# Altium PCB MCU3.0.PcbDoc (part 2 of 2)
Units mm, origin at the board's own origin, x right, y up, seen from the top; angles counter-clockwise.
Board outline 138.36 x 70.25 mm, 2 copper layers (Top Layer, Bottom Layer); 116 components, 134 nets, 579 pads, 231 vias.
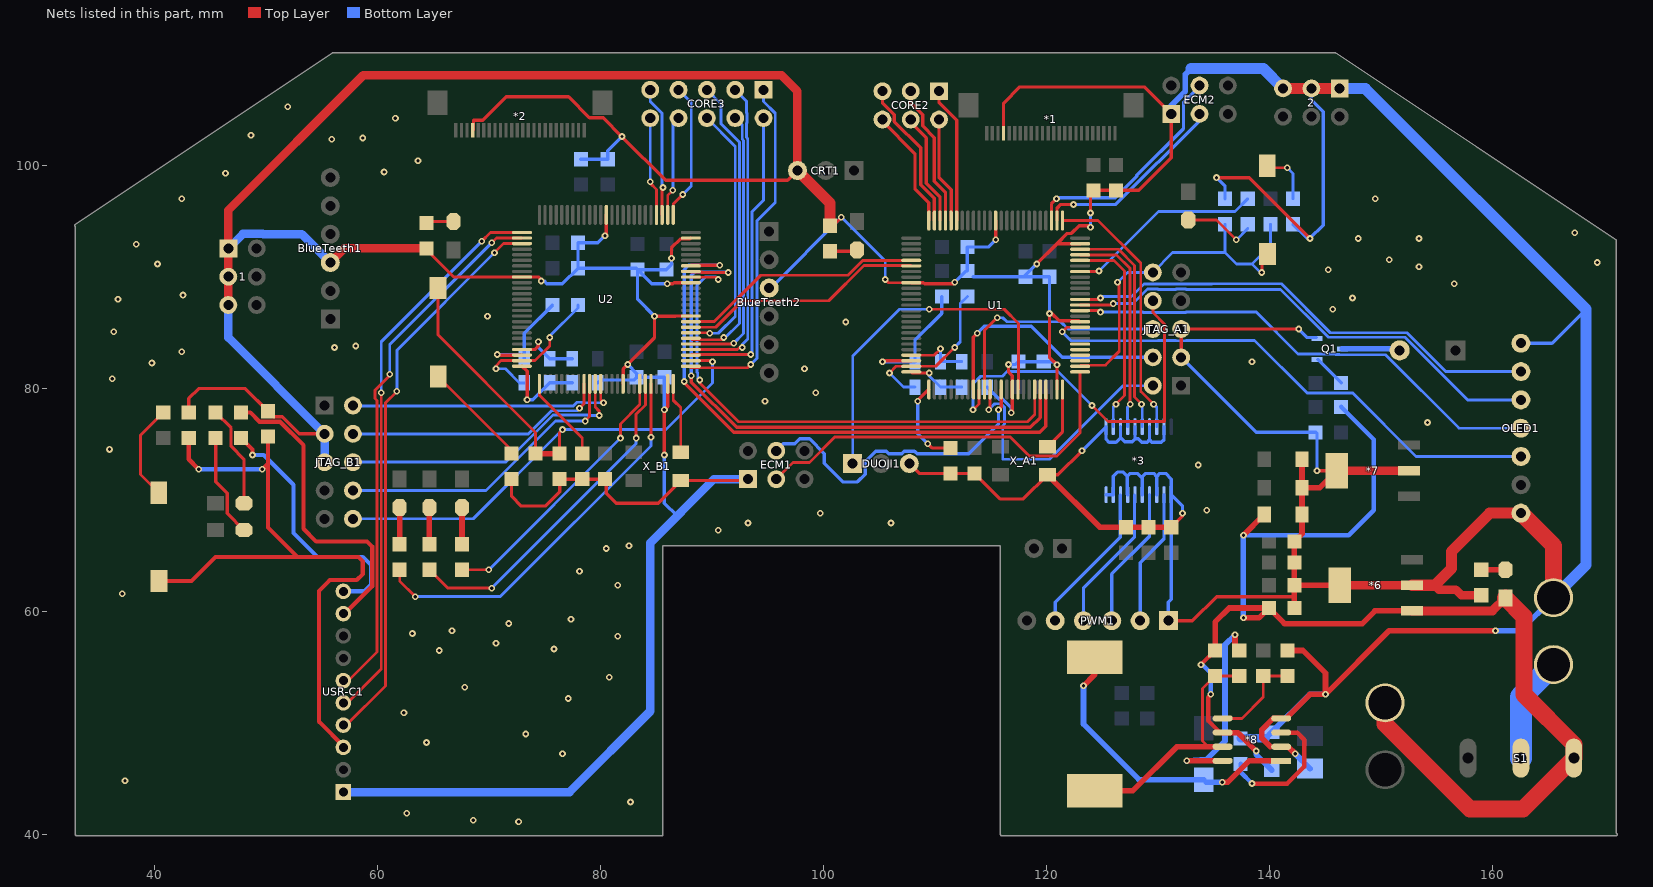
[diagram p2: the nets of this part, all layers, seen from the top]

## Via types
v1: diameter 0.6, hole 0.3, Top Layer to Bottom Layer, tented both sides, 228 vias
v2: diameter 4.5, hole 4, Top Layer to Bottom Layer, tented both sides, 3 vias

## Nets (pads, with @x,y where several pads share a name; then routed paths per layer and width w, separated by ;. In a path a pad name is that pad's centre, name@x,y a point inside that pad or via, vN(x,y) a via of type N, cw(c..) or ccw(c..) an arc to the next point about the centre after c; other vN are vias at no path point) (continued)
DGND: 1.1 1.3 1.5 2.1 2.3 2.5 *1.21 *2.21 *3.1 *3.3 *3.5 *3.7 *3.9 *3.10 *3.11 *3.13 *3.15 *3.17 *3.19 *6.2 *7.2 *8.2 *8.4 BAT1.2 BlueTeeth1.3 BlueTeeth2.3 C2.1 C3.1 C4.1 C5.1 C6.1 C7.1 C8.1 C9.1 C10.1 C12.1 C13.1 C14.1 C15.1 C16.1 C17.1 C18.1 C19.1 C20.1 C21.1 C22.1 C23.2 C24.1 C25.1 C26.2 C27.1 C28.2 C29.2 C30.2 C31.2 CRT1.3 DUOJI1.3 ECM1.1 ECM2.1 JTAG_A1.3 JTAG_A1.5 JTAG_B1.3 JTAG_B1.5 L3.1 L7.1 OLED1.1 OLED1.7 PWM1.1 Q1.2 R1.2 R3.1 R5.1 R6.2 R8.1 R11.1 R12.1 R13.1 R14.1 R26.1 R37.1 R38.2 R41.1 R42.1 R43.1 U1.9 U1.41 U1.49 U1.60 U1.74 U1.88 U2.9 U2.41 U2.49 U2.60 U2.66 U2.74 U2.88 USR-C1.1 X_A1.2 X_B1.2 | length 791
  Top Layer w0.254: R6.2@64.389,92.583 64.389,92.456 66.834,90.011 U2.9@72.943,90.011 ; R1.2@100.584,94.615 100.838,94.615 v1(101.6,95.377) ; v1(105.537,89.789) 105.823,89.503 U1.9@107.868,89.503
  Top Layer w0.3: R8.1@43.053,77.851 43.053,79.121 43.942,80.01 48.133,80.01 C22.1@50.165,77.978 50.65,77.493 51.428,77.493 52.975,75.946 JTAG_B1.3@55.245,75.946 ; *2.21@68.521,103.167 68.601,103.247 68.601,104.087 69.441,104.087 71.526,106.172 77.123,106.172 79.001,104.294 80.237,104.294 v1(81.915,102.616) 85.852,98.679 96.774,98.679 CRT1.3@97.663,99.568 ; R5.1@72.009,71.882 72.009,70.358 72.898,69.469 75.057,69.469 76.327,70.739 76.327,71.755 76.454,71.882 C13.1@78.359,71.882 80.518,71.882 80.518,70.612 81.407,69.723 85.166,69.723 X_B1.2@87.198,71.755 ECM1.1@93.091,71.755 ; U2.9@72.943,90.011 74.454,90.011 74.676,89.789 v1(74.676,89.662) ; v1(80.391,93.726) 80.518,93.853 U2.88@80.518,95.586 ; U2.41@82.018,80.435 82.018,81.764 v1(82.423,82.169) 84.836,84.582 v1(84.836,86.487) 86.693,86.487 ; v1(85.725,74.041) v1(85.725,78.105) 86.018,78.398 U2.49@86.018,80.435 ; v1(85.979,89.408) 86.487,89.408 86.59,89.511 U2.66@88.093,89.511 ; v1(86.36,91.694) 86.36,92.621 87.169,93.431 88.013,93.431 U2.74@88.093,93.511 ; 86.717,86.511 U2.60@88.093,86.511 ; DUOJI1.3@107.696,73.279 108.585,72.39 C8.1@111.379,72.39 C10.1@113.538,72.39 115.824,70.104 117.932,70.104 X_A1.2@120.091,72.263 121.031,72.263 v1(123.19,74.422) ; U1.9@107.868,89.503 108.958,89.503 109.058,89.403 111.628,89.403 v1(111.76,89.535) ; v1(115.443,93.345) U1.88@115.443,95.078 ; *1.21@116.146,102.913 116.146,105.605 117.602,107.061 128.778,107.061 ECM2.1@131.191,104.648 131.191,100.711 128.27,97.79 R12.1@126.238,97.79 R11.1@124.206,97.79 ; v1(116.586,82.169) 116.586,81.534 116.943,81.177 U1.41@116.943,79.927 116.943,77.954 v1(116.84,77.851) ; v1(119.126,91.186) 120.943,93.003 ; U1.49@120.943,79.927 v1(120.943,82.13) 120.269,82.804 v1(120.269,86.741) 120.479,86.741 121.137,86.083 122.891,86.083 U1.60@122.995,85.979 ; U1.74@123.018,93.003 120.943,93.003 ; v1(123.952,94.488) 123.825,94.615 122.936,94.615 122.244,93.923 121.863,93.923 120.943,93.003 ; v1(123.952,95.758) R11.1@123.952,97.536 ; PWM1.1@130.937,59.182 133.096,59.182 135.255,61.341 142.24,61.341 ; R41.1@131.191,67.564 132.207,68.58 v1(132.207,68.834) ; JTAG_A1.3@132.08,82.804 JTAG_A1.5@132.08,85.344 v1(142.621,85.344) ; v1(135.255,98.933) 138.176,98.933 v1(143.637,93.472) ; v1(144.272,72.644) *7.2@146.05,72.644
  Top Layer w0.5: X_A1.2@120.091,72.263 124.79,67.564 R42.1@127.127,67.564 R43.1@129.159,67.564 R41.1@131.191,67.564 ; *8.2@141.679,47.879 v1(142.314,47.244) ; C21.1@142.24,66.294 142.924,66.978 C23.2@142.924,68.707 C26.2@142.924,71.12 ; C28.2@142.924,73.66 C26.2@142.924,71.12 ; *7.2@146.05,72.644 144.526,71.12 C26.2@142.924,71.12
  Top Layer w0.508: 140.081,47.879 139.319,48.641 139.319,49.403 140.335,50.419 *8.4@141.055,50.419 141.478,50.419 143.637,52.578 v1(145.034,52.578) ; R37.1@141.605,56.515 143.002,56.515 145.034,54.483 v1(145.034,52.578) ; C24.1@142.24,60.325 142.24,61.341 C25.1@142.24,62.357 ; C21.1@142.24,66.294 C27.1@142.24,64.389 C25.1@142.24,62.357 ; *6.2@146.304,62.357 C25.1@142.24,62.357 ; v1(160.274,58.293) 150.749,58.293 v1(145.034,52.578)
  Top Layer w0.762: 1.5@46.609,87.503 1.3@46.609,90.043 1.1@46.609,92.583 46.609,96.012 58.705,108.108 96.235,108.108 97.663,106.68 CRT1.3@97.663,99.568 ; BlueTeeth1.3@55.753,91.313 57.023,92.583 R6.2@64.389,92.583 ; *7.2@146.05,72.644 *7.2@152.527,72.644 ; *6.2@146.304,62.357 *6.2@152.781,62.357 ; 154.813,62.357 155.194,61.976 156.718,61.976 157.226,61.468 R38.2@159.004,61.468
  Top Layer w1: CRT1.3@97.663,99.568 100.584,96.647 R1.2@100.584,94.615 ; 2.5@141.224,106.934 2.3@143.764,106.934 2.1@146.304,106.934 ; *6.2@152.781,62.357 154.813,62.357 156.337,63.881 156.337,65.405 159.766,68.834 OLED1.1@162.56,68.834
  Top Layer w1.5: OLED1.1@162.56,68.834 165.481,65.913 BAT1.2@165.481,61.245
  Bottom Layer w0.254: v1(101.6,95.377) 105.537,91.44 v1(105.537,89.789)
  Bottom Layer w0.3: v1(74.676,89.662) 74.93,89.662 75.184,89.408 76.581,89.408 C20.1@77.978,90.805 ; R13.1@78.232,100.584 R14.1@80.645,100.584 80.645,101.346 v1(81.915,102.616) ; L7.1@79.756,80.518 80.01,80.772 82.982,80.772 C16.1@83.236,81.026 ; v1(80.391,93.726) 79.756,93.091 C19.1@77.978,93.091 C20.1@77.978,90.805 ; v1(82.423,82.169) 83.236,81.356 C16.1@83.236,81.026 ; v1(84.836,86.487) 83.312,88.011 C18.1@83.312,90.678 ; v1(85.725,74.041) 85.725,69.723 86.868,68.58 ; v1(85.725,78.105) C15.1@85.725,81.026 C16.1@83.236,81.026 ; v1(85.979,89.408) 84.582,89.408 C18.1@83.312,90.678 ; v1(86.36,91.694) 86.36,91.135 C17.1@85.903,90.678 C18.1@83.312,90.678 ; BlueTeeth2.3@95.123,89.027 95.25,89.027 v1(101.6,95.377) ; v1(111.76,89.535) C2.1@112.776,90.551 ; C2.1@112.903,90.551 C7.1@112.903,92.71 114.808,92.71 v1(115.443,93.345) ; C2.1@113.411,90.043 C5.1@118.11,90.043 ; L3.1@114.681,80.137 115.769,79.049 116.088,79.049 116.84,78.297 v1(116.84,77.851) ; v1(116.586,82.169) 117.221,82.169 C3.1@117.475,82.423 C4.1@119.761,82.423 120.65,82.423 v1(120.943,82.13) ; v1(119.126,91.186) 118.11,90.17 C5.1@118.11,90.043 ; v1(120.269,86.741) C6.1@120.269,90.043 C5.1@118.11,90.043 ; v1(123.19,74.422) *3.11@125.341,76.573 ; v1(123.952,94.488) v1(123.952,95.758) ; *3.10@125.341,70.485 *3.9@125.991,70.485 125.991,72.143 126.365,72.517 126.873,72.517 127.254,72.136 ; *3.11@125.341,76.585 *3.11@125.341,76.573 ; *3.13@126.641,76.585 126.641,75.587 ; *3.7@127.291,70.485 127.254,70.522 127.254,72.136 ; *3.15@127.941,76.585 127.941,75.49 ; *3.5@128.591,70.485 128.591,72.076 ; *3.17@129.241,76.585 129.241,75.393 ; *3.3@129.891,70.485 129.891,72.106 ; *3.19@130.541,76.585 130.541,75.423 130.302,75.184 129.45,75.184 129.241,75.393 ; PWM1.1@130.937,59.182 130.937,60.833 131.191,61.087 *3.1@131.191,70.485 ; JTAG_A1.3@132.08,82.804 138.811,76.073 R26.1@144.145,76.073 144.272,75.946 v1(144.272,72.644) ; v1(132.207,68.834) 132.207,69.469 *3.1@131.191,70.485 ; v1(135.255,98.933) 136.017,98.171 C9.1@136.017,97.028 ; R3.1@142.113,94.742 143.383,93.472 v1(143.637,93.472) 144.834,94.669 144.834,104.837 143.764,105.907 2.3@143.764,106.934 ; v1(142.621,85.344) 143.383,84.582 Q1.2@144.206,84.582 ; OLED1.7@162.56,84.074 165.354,84.074 168.402,87.122 ; C20.1@77.978,90.805 83.185,90.805 C18.1@83.312,90.678 ; *3.11@125.341,76.573 125.341,75.446 125.603,75.184 126.238,75.184 126.641,75.587 ; 126.641,75.587 127,75.228 127.679,75.228 127.941,75.49 ; 127.254,72.136 127.508,72.39 128.143,72.39 128.457,72.076 128.591,72.076 ; 127.941,75.49 128.218,75.49 128.524,75.184 129.032,75.184 129.241,75.393 ; 128.591,72.076 128.905,72.39 129.607,72.39 129.891,72.106 ; 129.891,72.106 130.175,72.39 130.683,72.39 131.191,71.882 *3.1@131.191,70.485
  Bottom Layer w0.5: ECM2.1@131.191,104.648 131.191,105.41 132.461,106.68 132.461,108.204 132.969,108.712 ; v1(142.314,47.244) C29.2@143.637,45.921
  Bottom Layer w0.508: C31.2@139.651,48.627 C31.2@140.208,49.184 143.602,52.578 v1(145.034,52.578) ; v1(160.274,58.293) 162.529,58.293 BAT1.2@165.481,61.245
  Bottom Layer w0.762: 1.5@46.609,87.503 46.609,84.582 JTAG_B1.3@55.245,75.946 JTAG_B1.5@55.245,73.406 ; 1.1@46.609,92.583 47.91,93.884 49.688,93.884 49.719,93.853 53.213,93.853 BlueTeeth1.3@55.753,91.313 ; USR-C1.1@57.048,43.815 77.216,43.815 84.455,51.054 84.455,66.167 90.17,71.882 ECM1.1@93.218,71.882 ; C30.2@137.414,48.627 C31.2@139.651,48.627
  Bottom Layer w1: 132.969,108.712 139.446,108.712 2.5@141.224,106.934 ; 2.1@146.304,106.934 148.59,106.934 168.402,87.122 168.402,64.166 BAT1.2@165.481,61.245
  other v1: 72.644,41.148 68.58,41.275 62.611,41.91 82.677,42.926 37.338,44.831 76.581,47.244 64.389,48.26 73.279,49.022 62.357,50.927 77.089,52.197 67.818,53.213 80.772,54.102 65.532,56.515 75.819,56.642 70.612,57.15 81.534,57.785 63.119,58.039 66.675,58.293 71.755,58.928 77.343,59.309 37.084,61.595 81.534,62.357 78.105,63.627 80.518,65.659 82.55,65.913 90.551,67.31 93.218,67.945 106.045,67.945 99.695,68.834 134.366,69.088 133.604,73.152 35.941,74.549 154.178,76.962 94.742,78.867 99.314,79.629 36.195,80.899 98.298,81.788 39.751,82.296 138.43,82.423 42.418,83.312 56.134,83.693 58.039,83.82 36.322,85.09 101.981,85.979 69.85,86.487 145.669,87.122 36.703,88.011 147.447,88.138 42.545,88.392 156.591,89.408 145.288,90.678 153.416,90.932 40.259,91.186 169.418,91.313 150.749,91.567 38.354,92.964 147.955,93.472 153.416,93.472 167.386,93.98 42.418,97.028 149.479,97.028 46.355,99.314 60.579,99.441 63.627,100.457 55.88,102.362 58.674,102.489 48.641,102.743 61.595,104.267 51.943,105.283
ECM_DIR_1: ECM1.4 U1.39 | length 28.9
  Top Layer w0.3: v1(115.697,78.105) 115.943,78.351 U1.39@115.943,79.927
  Bottom Layer w0.3: ECM1.4@95.758,74.422 96.393,75.057 97.42,75.057 97.855,75.492 98.741,75.492 100.065,74.168 100.065,73.29 101.727,71.628 103.047,71.628 103.736,72.317 103.736,73.443 104.692,74.399 105.62,74.399 105.851,74.168 107.001,74.168 107.232,74.399 108.16,74.399 108.391,74.168 113.03,74.168 115.697,76.835 v1(115.697,78.105)
ECM_DIR_2: ECM2.4 U1.78 | length 20.6
  Top Layer w0.3: U1.78@120.443,95.078 120.443,96.567 v1(120.904,97.028)
  Bottom Layer w0.3: v1(120.904,97.028) 120.996,97.12 126.163,97.12 128.108,99.065 128.108,99.152 132.291,103.335 132.291,105.656 133.655,107.02 ECM2.4@133.655,107.188
ECM_LSB_1: ECM1.3 U1.51 | length 35.9
  Top Layer w0.254: ECM1.3@95.758,71.882 97.251,73.375 98.732,73.375 101.007,75.65 116.755,75.65 118.449,73.956 120.944,73.956 123.018,76.031 U1.51@123.018,81.503
ECM_LSB_2: ECM2.3 U1.77 | length 17.7
  Top Layer w0.3: U1.77@120.943,95.078 120.943,96.178 121.285,96.52 v1(122.428,96.52)
  Bottom Layer w0.3: v1(122.428,96.52) 126.199,96.52 133.731,104.052 ECM2.3@133.731,104.648
EXTAL_A: U1.50 X_A1.3 | length 5.7
  Top Layer w0.3: X_A1.3@120.091,74.803 121.443,76.155 U1.50@121.443,79.927
EXTAL_B: U2.50 X_B1.3 | length 6.4
  Top Layer w0.254: U2.50@86.518,80.435 86.518,78.963 87.198,78.283 X_B1.3@87.198,74.295
L: U1.53
LED_1: R28.2 U1.69 | length 17.7
  Top Layer w0.254: U1.69@123.018,90.503 124.666,90.503 v1(124.714,90.551)
  Bottom Layer w0.254: v1(124.714,90.551) 130.048,95.885 136.906,95.885 R28.2@138.049,97.028
LED_4: R29.2 U2.44 | length 24.7
  Top Layer w0.254: R29.2@67.564,63.754 v1(69.977,63.754) ; v1(81.788,75.565) 81.788,76.835 83.518,78.565 U2.44@83.518,80.435
  Bottom Layer w0.254: v1(69.977,63.754) v1(81.788,75.565)
LED_5: R31.2 U2.45 | length 30.3
  Top Layer w0.254: R31.2@64.643,63.754 66.294,62.103 v1(70.231,62.103) ; v1(83.185,75.565) 83.185,77.703 84.018,78.536 U2.45@84.018,80.435
  Bottom Layer w0.254: v1(70.231,62.103) 83.185,75.057 v1(83.185,75.565)
LED_6: R33.2 U2.46 | length 35.3
  Top Layer w0.254: R33.2@61.976,63.754 61.976,62.738 v1(63.373,61.341) ; v1(84.518,75.628) U2.46@84.518,80.435
  Bottom Layer w0.254: v1(63.373,61.341) 70.993,61.341 84.518,74.866 v1(84.518,75.628)
M: U1.54
MOTOR1_IN1: *3.2 PWM1.2 | length 12.2
  Bottom Layer w0.3: PWM1.2@128.397,59.182 128.397,64.389 130.541,66.533 *3.2@130.541,70.485
MOTOR1_IN2: *3.4 PWM1.3 | length 12.7
  Bottom Layer w0.3: PWM1.3@125.857,59.182 125.857,63.373 129.241,66.757 *3.4@129.241,70.485
MOTOR2_IN1: *3.6 PWM1.4 | length 13.1
  Bottom Layer w0.3: PWM1.4@123.317,59.182 123.317,62.103 127.889,66.675 *3.6@127.889,70.433
MOTOR2_IN2: *3.8 PWM1.5 | length 13.7
  Bottom Layer w0.3: PWM1.5@120.777,59.182 120.777,60.833 126.619,66.675 *3.8@126.619,70.463
Net*8_1: *8.1 D1.1 L9.2 | length 25.2
  Top Layer w0.508: v1(123.317,53.34) 124.333,54.356 ; v1(135.763,44.704) 136.271,44.704 138.176,46.609 *8.1@141.055,46.609
  Bottom Layer w0.508: v1(123.317,53.34) 123.317,49.911 128.298,44.93 D1.1@134.112,44.93 ; D1.1@134.338,44.704 v1(135.763,44.704)
Net*8_3: *8.3 C30.1 | length 12.3
  Top Layer w0.4: v1(138.43,44.577) 141.605,44.577 143.129,46.101 143.129,48.514 142.494,49.149 *8.3@141.055,49.149
  Bottom Layer w0.4: C30.1@137.414,46.341 137.414,45.593 v1(138.43,44.577)
Net*8_5: *8.5 R36.2 R37.2 | length 8.5
  Top Layer w0.254: *8.5@135.805,50.419 137.541,50.419 139.446,52.324 R36.2@139.446,54.229 R37.2@141.605,54.229
Net*8_7: *8.7 L9.1 R34.1 R35.2 | length 22.3
  Top Layer w0.254: 134.493,47.879 133.985,48.387 133.985,53.086 R34.1@135.128,54.229 R35.2@137.287,54.229
  Top Layer w0.5: L9.1@124.333,43.911 127.731,43.911 131.699,47.879 134.493,47.879 *8.7@135.805,47.879
Net*8_8: *8.8 R35.1 | length 18.7
  Top Layer w0.508: v1(132.588,46.609) *8.8@135.678,46.609 ; v1(136.906,57.912) 136.906,56.896 R35.1@137.287,56.515
  Bottom Layer w0.508: v1(132.588,46.609) 134.366,46.736 136.017,48.387 136.017,57.023 v1(136.906,57.912)
NetB1_2: B1.2 Q1.3 | length 5
  Bottom Layer w0.5: Q1.3@146.54,83.566 B1.2@151.551,83.566
NetBAT1_1: BAT1.1 S1.2 | length 9.6
  Bottom Layer w2: S1.2@162.56,46.863 162.56,52.324 BAT1.1@165.481,55.245
NetLED1_2: LED1.2 R1.1 | length 2.5
  Top Layer w0.3: R1.1@100.584,92.329 102.87,92.329 LED1.2@102.997,92.456
NetLED2_2: LED2.2 R9.1 | length 9.2
  Top Layer w0.3: R9.1@45.466,77.851 46.847,76.47 46.847,74.818 48.006,73.659 LED2.2@48.006,69.723
NetLED3_2: LED3.2 R10.1 | length 9.3
  Top Layer w0.3: R10.1@45.466,75.565 45.466,71.66 46.498,70.628 46.498,68.818 LED3.2@48.006,67.31
NetLED4_2: LED4.2 R28.1 | length 6.5
  Top Layer w0.254: LED4.2@132.715,95.123 135.255,95.123 v1(137.033,93.345)
  Bottom Layer w0.254: v1(137.033,93.345) R28.1@138.049,94.361
NetLED5_2: LED5.2 R29.1 | length 3.3
  Top Layer w0.508: R29.1@67.564,66.04 LED5.2@67.564,69.342
NetLED7_2: LED7.2 R31.1 | length 3.3
  Top Layer w0.508: R31.1@64.643,66.04 LED7.2@64.643,69.342
NetLED9_2: LED9.2 R33.1 | length 3.3
  Top Layer w0.508: R33.1@61.976,66.04 LED9.2@61.976,69.342
NetLED10_2: LED10.2 R38.1 | length 2.2
  Top Layer w0.508: R38.1@159.004,63.754 LED10.2@161.163,63.754
NetPD1_K: PD1.2 R6.1 | length 2.4
  Top Layer w0.3: R6.1@64.389,94.996 PD1.2@66.802,94.996
NetQ1_1: Q1.1 R22.2 | length 3
  Bottom Layer w0.3: Q1.1@144.333,82.616 R22.2@146.431,80.518
NetR3_2: R3.2 SW1.1 | length 4.6
  Top Layer w0.254: SW1.1@139.993,99.822 v1(141.605,99.822)
  Bottom Layer w0.254: v1(141.605,99.822) 142.113,99.314 R3.2@142.113,97.028
NetR5_2: R5.2 SW2.1 | length 9.3
  Top Layer w0.254: SW2.1@65.425,81.094 R5.2@72.009,74.51
NetR8_2: R8.2 SW3.1 | length 8.7
  Top Layer w0.254: SW3.1@40.366,70.671 38.735,72.302 38.735,75.819 R8.2@40.767,77.851
OLED_D1: OLED1.4 U1.62 | length 43.9
  Top Layer w0.254: U1.62@123.018,87.003 124.706,87.003 v1(124.841,86.868)
  Bottom Layer w0.254: v1(124.841,86.868) 128.629,86.868 128.66,86.837 132.514,86.837 132.545,86.868 138.811,86.868 142.561,83.118 145.871,83.118 145.925,83.064 146.297,83.064 146.322,83.039 150.413,83.039 156.998,76.454 OLED1.4@162.56,76.454
OLED_D2: OLED1.3 U1.59 | length 47.6
  Top Layer w0.254: v1(121.412,85.09) 121.825,85.503 U1.59@123.018,85.503
  Bottom Layer w0.254: v1(121.412,85.09) 122.205,84.297 129.974,84.297 130.005,84.328 131.615,84.328 131.646,84.297 132.514,84.297 132.545,84.328 138.673,84.328 143.395,79.606 147.47,79.606 153.162,73.914 OLED1.3@162.56,73.914
OLED_DC: OLED1.6 U1.64 | length 43.4
  Top Layer w0.254: U1.64@123.018,88.003 124.706,88.003 v1(124.841,88.138)
  Bottom Layer w0.254: v1(124.841,88.138) 124.968,88.265 127.635,88.265 128.747,89.377 134.842,89.377 134.873,89.408 141.068,89.408 145.456,85.02 152.333,85.02 155.819,81.534 OLED1.6@162.56,81.534
OLED_RST: OLED1.5 U1.63 | length 44.3
  Top Layer w0.254: U1.63@123.018,87.503 125.857,87.503 v1(125.984,87.63)
  Bottom Layer w0.254: v1(125.984,87.63) 127.763,87.63 129.064,88.931 129.974,88.931 130.005,88.9 131.615,88.9 131.646,88.931 132.514,88.931 132.545,88.9 141.005,88.9 145.289,84.616 152.166,84.616 157.788,78.994 OLED1.5@162.56,78.994
PTA19: CORE3.1 U2.51 | length 31.6
  Top Layer w0.254: U2.51@88.093,82.011 88.093,81.876 93.179,81.876 v1(93.472,82.169)
  Bottom Layer w0.254: v1(93.472,82.169) 94.026,82.723 94.026,95.059 95.662,96.695 95.662,104.701 94.615,105.748 CORE3.1@94.615,106.807
PTB0: CORE3.2 U2.53 | length 27
  Top Layer w0.254: U2.53@88.141,83.058 v1(93.472,83.058)
  Bottom Layer w0.254: v1(93.472,83.058) 93.578,83.164 93.578,95.864 94.615,96.901 CORE3.2@94.615,104.267
PTB1: CORE3.3 U2.54 | length 28.5
  Top Layer w0.254: U2.54@88.093,83.511 92.274,83.511 92.456,83.693 v1(92.71,83.693)
  Bottom Layer w0.254: CORE3.3@92.075,106.807 93.098,105.784 93.098,104.725 93.122,104.701 93.122,103.833 93.098,103.809 93.098,102.524 93.204,102.418 93.204,84.441 92.71,83.947 v1(92.71,83.693)
PTB2: CORE3.4 U2.55 | length 24.8
  Top Layer w0.254: U2.55@88.093,84.011 91.885,84.011 v1(91.948,84.074)
  Bottom Layer w0.254: v1(91.948,84.074) 92.83,84.956 92.83,102.263 92.71,102.383 92.71,103.632 CORE3.4@92.075,104.267
PTB3: CORE3.5 U2.56 | length 27.2
  Top Layer w0.254: U2.56@88.093,84.511 88.196,84.408 89.008,84.408 89.031,84.385 90.862,84.385 v1(91.059,84.582)
  Bottom Layer w0.254: CORE3.5@89.535,106.807 90.805,105.537 90.805,103.759 92.456,102.108 92.456,85.852 91.186,84.582 v1(91.059,84.582)
PTB9: CORE3.6 U2.57 | length 23.5
  Top Layer w0.254: U2.57@88.093,85.011 89.741,85.011 v1(89.789,84.963)
  Bottom Layer w0.254: CORE3.6@89.535,104.267 92.075,101.727 92.075,86.487 90.551,84.963 v1(89.789,84.963)
PTC4: CORE3.7 U2.76 | length 12.4
  Top Layer w0.254: U2.76@86.518,95.586 86.518,96.551 v1(87.376,97.409)
  Bottom Layer w0.254: CORE3.7@86.995,106.807 88.138,105.664 88.138,98.171 v1(87.376,97.409)
PTC5: CORE3.8 U2.77 | length 9.1
  Top Layer w0.254: U2.77@86.018,95.586 86.018,97.321 v1(86.487,97.79)
  Bottom Layer w0.254: v1(86.487,97.79) 86.487,103.759 CORE3.8@86.995,104.267
PTC6: CORE3.9 U2.78 | length 11.7
  Top Layer w0.254: U2.78@85.518,95.586 85.518,97.964 v1(85.598,98.044)
  Bottom Layer w0.254: CORE3.9@84.455,106.807 84.455,105.748 85.502,104.701 85.502,98.14 v1(85.598,98.044)
PTC7: CORE3.10 U2.79 | length 8.9
  Top Layer w0.254: v1(84.455,98.552) 84.455,98.425 85.018,97.862 U2.79@85.018,95.586
  Bottom Layer w0.254: v1(84.455,98.552) CORE3.10@84.455,104.267
PTD2: CORE2.1 U1.95 | length 12.3
  Top Layer w0.3: CORE2.1@110.363,106.68 110.363,105.653 111.943,104.073 U1.95@111.943,95.078
PTD3: CORE2.2 U1.96 | length 9.5
  Top Layer w0.3: CORE2.2@110.363,104.14 110.363,98.933 111.443,97.853 U1.96@111.443,95.078
PTD4: CORE2.3 U1.97 | length 12.9
  Top Layer w0.3: CORE2.3@107.823,106.68 107.823,105.653 108.893,104.583 108.893,103.578 109.943,102.528 109.943,98.591 110.943,97.591 U1.97@110.943,95.078
PTD5: CORE2.4 U1.98 | length 10.1
  Top Layer w0.3: CORE2.4@107.823,104.14 107.823,103.886 109.22,102.489 109.22,98.425 110.443,97.202 U1.98@110.443,95.078
PTD6: CORE2.5 U1.99 | length 13.5
  Top Layer w0.3: CORE2.5@105.283,106.68 105.283,105.653 106.353,104.583 106.353,103.959 108.712,101.6 108.712,98.298 109.943,97.067 U1.99@109.943,95.078
PTD7: CORE2.6 U1.100 | length 10.8
  Top Layer w0.3: CORE2.6@105.283,104.14 105.283,104.013 108.204,101.092 108.204,97.917 109.443,96.678 U1.100@109.443,95.078
PWM1_1: *3.18 U1.76 | length 23.9
  Top Layer w0.254: U1.76@121.443,95.078 124.632,95.078 128.463,91.247 128.463,79.757 v1(129.607,78.613)
  Bottom Layer w0.254: v1(129.607,78.613) 129.891,78.329 *3.18@129.891,76.585
PWM1_2: *3.16 U1.73 | length 20.2
  Top Layer w0.254: U1.73@123.018,92.503 126.445,92.503 127.889,91.059 127.889,79.248 v1(128.524,78.613)
  Bottom Layer w0.254: v1(128.524,78.613) 128.591,78.546 *3.16@128.591,76.585
PWM2_1: *3.14 U1.72 | length 19.3
  Top Layer w0.254: U1.72@123.018,92.003 126.287,92.003 127.485,90.805 127.485,78.636 v1(127.508,78.613)
  Bottom Layer w0.254: *3.14@127.291,76.585 127.254,76.622 127.254,78.359 v1(127.508,78.613)
PWM2_2: *3.12 U1.71 | length 18.8
  Top Layer w0.254: U1.71@123.018,91.503 126.048,91.503 127,90.551 127,79.375 v1(126.238,78.613)
  Bottom Layer w0.254: *3.12@125.991,76.585 125.991,78.366 v1(126.238,78.613)
R: U1.56
RESET_B_1: C9.2 JTAG_A1.10 R2.1 SW1.2 U1.52 | length 33.1
  Top Layer w0.254: U1.52@123.018,82.003 123.121,82.106 125.286,82.106 126.531,83.351 126.531,87.896 126.492,87.935 126.492,89.535 v1(126.365,89.535) ; v1(139.319,90.424) SW1.2@139.319,91.567
  Bottom Layer w0.254: v1(126.365,89.535) 127.254,90.424 JTAG_A1.10@129.54,90.424 131.318,92.202 136.017,92.202 ; C9.2@136.017,94.742 136.017,92.202 ; v1(139.319,90.424) 139.192,90.424 138.43,91.186 ; R2.1@140.081,94.742 140.081,92.837 138.43,91.186 ; 136.017,92.202 137.033,91.186 138.43,91.186
RESET_B_2: C12.2 JTAG_B1.10 R4.1 SW2.2 U2.52 | length 64
  Top Layer w0.254: SW2.2@65.405,89.027 65.405,84.836 74.168,76.073 R4.1@74.168,74.168 ; C12.2@76.327,74.168 76.327,76.073 v1(76.581,76.327) ; U2.52@88.093,82.511 v1@89.955,82.511
  Top Layer w0.508: R4.1@74.168,74.168 C12.2@76.327,74.168
  Bottom Layer w0.254: JTAG_B1.10@57.785,68.326 68.58,68.326 v1(76.581,76.327) 85.852,76.327 90.043,80.518 v1(90.043,82.423)
SPI_CLK: U1.45 U2.67 | length 47.7
  Top Layer w0.254: U2.67@88.107,89.997 90.343,89.997 v1(90.551,89.789) ; v1(88.9,80.772) 88.9,80.518 92.384,77.034 118.309,77.034 118.943,77.668 U1.45@118.943,79.927
  Bottom Layer w0.254: v1(88.9,80.772) 88.715,80.957 88.715,81.392 88.646,81.461 88.646,89.281 89.397,90.032 90.308,90.032 v1(90.551,89.789)
SPI_SIN: U1.47 U2.69 | length 53.8
  Top Layer w0.3: v1(87.503,80.645) 87.503,80.518 91.948,76.073 119.38,76.073 119.943,76.636 U1.47@119.943,79.927 ; U2.69@88.142,91.059 v1(90.678,91.059)
  Bottom Layer w0.3: v1(87.503,80.645) 87.503,90.678 87.884,91.059 v1(90.678,91.059)
SPI_SOUT: U1.46 U2.68 | length 52.2
  Top Layer w0.3: v1(88.138,81.153) 88.138,80.587 92.202,76.523 118.56,76.523 119.443,77.406 U1.46@119.443,79.927 ; U2.68@88.143,90.461 89.067,90.461 89.067,90.424 v1(91.44,90.424)
  Bottom Layer w0.3: v1(88.138,81.153) 88.138,90.17 88.427,90.459 v1@91.475,90.459
STEERING: DUOJI1.1 U1.42 | length 32.7
  Top Layer w0.254: v1(109.474,87.122) 116.205,87.122 117.475,85.852 U1.42@117.475,79.959
  Bottom Layer w0.254: DUOJI1.1@102.616,73.279 102.616,82.931 106.807,87.122 v1(109.474,87.122)
TCK_A: JTAG_A1.4 U1.34 | length 22.3
  Top Layer w0.3: U1.34@113.443,79.927 113.443,84.614 v1(113.792,84.963)
  Bottom Layer w0.3: v1(113.792,84.963) 114.427,85.598 118.618,85.598 121.412,82.804 JTAG_A1.4@129.54,82.804
TCK_B: JTAG_B1.4 U2.34 | length 23.6
  Top Layer w0.254: v1(78.105,78.232) 78.518,78.645 U2.34@78.518,80.435
  Bottom Layer w0.254: JTAG_B1.4@57.785,75.946 73.512,75.946 75.576,78.01 77.883,78.01 v1(78.105,78.232)
TDI_A: JTAG_A1.8 U1.35 | length 35.1
  Top Layer w0.254: v1(113.411,78.105) 113.943,78.637 U1.35@113.943,79.927 ; v1(124.079,78.486) 125.507,77.058 130.587,77.058 130.587,85.778 129.54,86.825 JTAG_A1.8@129.54,87.884
  Bottom Layer w0.254: v1(113.411,78.105) 113.411,80.423 114.102,81.114 116.051,81.114 116.471,81.534 121.031,81.534 v1(124.079,78.486)
TDI_B: JTAG_B1.8 U2.35 | length 26.9
  Top Layer w0.254: v1(78.613,77.089) 79.018,77.494 U2.35@79.018,80.435
  Bottom Layer w0.254: JTAG_B1.8@57.785,70.866 69.723,70.866 75.946,77.089 v1(78.613,77.089)
TDO_A: JTAG_A1.6 U1.36 | length 21.3
  Top Layer w0.254: U1.36@114.443,79.927 114.443,85.233 v1(115.57,86.36)
  Bottom Layer w0.254: v1(115.57,86.36) 116.078,86.36 116.443,85.995 121.281,85.995 121.932,85.344 JTAG_A1.6@129.54,85.344
TDO_B: JTAG_B1.6 U2.36 | length 26.9
  Top Layer w0.254: U2.36@79.518,80.435 79.518,78.343 79.883,77.978 v1(79.883,77.597)
  Bottom Layer w0.254: JTAG_B1.6@57.785,73.406 71.501,73.406 75.731,77.636 78.84,77.636 78.879,77.597 v1(79.883,77.597)
TMS_A: JTAG_A1.2 U1.37 | length 24.6
  Top Layer w0.254: v1(114.808,78.105) 114.943,78.24 U1.37@114.943,79.927
  Bottom Layer w0.254: v1(114.808,78.105) 115.316,78.613 115.431,78.613 115.47,78.652 115.924,78.652 116.244,78.332 116.244,76.821 116.078,76.655 116.078,73.66 120.269,73.66 126.873,80.264 JTAG_A1.2@129.54,80.264
TMS_B: JTAG_B1.2 U2.37 | length 24.5
  Top Layer w0.254: U2.37@80.018,80.435 80.018,78.986 v1(80.264,78.74)
  Bottom Layer w0.254: JTAG_B1.2@57.785,78.486 57.785,78.447 77.546,78.447 77.878,78.779 78.332,78.779 78.371,78.74 v1(80.264,78.74)
U: U1.55
UART_RX: U1.6 U2.58 | length 22
  Top Layer w0.254: U2.58@88.093,85.511 90.337,85.511 92.71,87.884 100.468,87.884 103.637,91.054 U1.6@107.817,91.054
UART_TX: U1.5 U2.59 | length 22
  Top Layer w0.254: U2.59@88.093,86.011 90.202,86.011 94.361,90.17 102.182,90.17 103.515,91.503 U1.5@107.868,91.503
VBAT: *6.1 *8.6 C23.1 C24.2 C31.1 LED10.1 MT_BAT1.1 R21.1 R34.2 S1.1 | length 122.3
  Top Layer w0.4: v1(133.858,55.245) R34.2@135.128,56.515 ; v1(134.747,52.578) 134.493,52.324 134.493,50.222 135.566,49.149 *8.6@135.805,49.149
  Top Layer w0.5: R34.2@135.128,56.515 135.128,59.055 136.398,60.325 C24.2@139.954,60.325 ; *8.6@135.805,49.149 137.16,49.149 v1(138.811,47.498) ; v1(137.668,59.436) 139.065,59.436 C24.2@139.954,60.325 ; v1(137.668,66.851) C23.1@139.524,68.707 ; *6.1@152.781,60.057 149.465,60.057 148.336,58.928 141.351,58.928 C24.2@139.954,60.325
  Top Layer w0.8: *6.1@152.781,60.057 160.006,60.057 LED10.1@161.163,61.214
  Top Layer w1.524: MT_BAT1.1@150.368,51.816 150.368,49.911 157.988,42.291 162.738,42.291 S1.1@167.31,46.863 167.31,48.092 162.819,52.583 162.819,59.558 LED10.1@161.163,61.214
  Bottom Layer w0.4: v1(133.858,55.245) 133.985,55.245 134.747,54.483 v1(134.747,52.578) ; v1(137.668,66.851) 147.115,66.851 149.352,69.088 149.352,75.438 R21.1@146.431,78.359
  Bottom Layer w0.5: v1(137.668,59.436) v1(137.668,66.851) ; v1(138.811,47.498) 138.811,47.181 C31.1@140.208,45.784
VDDA_A: L1.2 L2.1 U1.22 | length 5.9
  Top Layer w0.254: U1.22@107.868,83.003 109.927,83.003 v1(110.49,83.566)
  Bottom Layer w0.254: v1(110.49,83.566) L2.1@110.49,82.423 L1.2@112.395,82.423
VDDA_B: L5.2 L6.1 U2.22 | length 6
  Top Layer w0.3: U2.22@72.943,83.511 74.113,83.511 74.422,83.82 v1(74.422,84.201)
  Bottom Layer w0.3: v1(74.422,84.201) 74.422,83.693 L6.1@75.438,82.677 L5.2@77.47,82.677
VREF_OUT_A: C8.2 U1.26 | length 7.8
  Top Layer w0.3: v1(108.458,78.867) 108.458,78.942 U1.26@109.443,79.927 ; v1(109.347,75.057) 109.728,74.676 C8.2@111.379,74.676
  Bottom Layer w0.3: v1(108.458,78.867) 108.458,75.946 v1(109.347,75.057)
VREF_OUT_B: C13.2 U2.26 | length 7.9
  Top Layer w0.254: U2.26@74.518,80.435 74.518,79.406 78.359,75.565 C13.2@78.359,74.168
VREFH_A: C1.2 L2.2 U1.23 | length 12.4
  Top Layer w0.3: v1(105.283,82.423) 105.363,82.503 U1.23@107.868,82.503
  Bottom Layer w0.3: v1(105.283,82.423) L2.2@108.204,82.423 108.204,84.328 110.617,86.741 C1.2@110.617,88.265
VREFH_B: C11.2 L6.2 U2.23 | length 10.1
  Top Layer w0.3: v1(70.739,83.058) 70.786,83.011 U2.23@72.943,83.011
  Bottom Layer w0.3: v1(70.739,83.058) L6.2@72.771,83.058 ; L6.2@73.152,82.677 73.152,84.963 C11.2@75.692,87.503
VREFL_A: C1.1 L4.2 U1.24 | length 14.6
  Top Layer w0.254: v1(105.918,81.407) 106.514,82.003 U1.24@107.868,82.003 110.07,82.003 v1(111.76,83.693)
  Bottom Layer w0.254: v1(105.918,81.407) 107.188,80.137 L4.2@108.204,80.137 ; v1(111.76,83.693) 112.268,84.201 112.268,87.63 C1.1@112.903,88.265
VREFL_B: C11.1 L8.2 U2.24 | length 13.6
  Top Layer w0.254: v1(70.612,81.788) 70.612,82.042 71.081,82.511 U2.24@72.943,82.511 74.129,82.511 75.438,83.82 v1(75.438,84.582)
  Bottom Layer w0.254: v1(70.612,81.788) 71.462,81.788 72.732,80.518 L8.2@73.152,80.518 ; v1(75.438,84.582) 75.438,84.709 77.978,87.249 C11.1@77.978,87.503
VSSA_A: L3.2 L4.1 U1.25 | length 5.2
  Top Layer w0.254: U1.25@107.868,81.503 107.963,81.407 v1(109.474,81.407)
  Bottom Layer w0.254: v1(109.474,81.407) 109.474,81.153 L4.1@110.49,80.137 L3.2@112.395,80.137
VSSA_B: L7.2 L8.1 U2.25 | length 7.9
  Top Layer w0.3: U2.25@72.943,82.011 73.406,81.547 v1(73.406,78.994)
  Bottom Layer w0.3: v1(73.406,78.994) 73.914,78.994 L8.1@75.438,80.518 L7.2@77.47,80.518
WIFI_LK: R10.2 USR-C1.10 | length 23.6
  Top Layer w0.381: R10.2@47.752,75.565 48.768,74.549 v1(48.768,74.041)
  Bottom Layer w0.381: v1(48.768,74.041) 49.784,74.041 52.451,71.374 52.451,67.056 54.61,64.897 58.674,64.897 59.436,64.135 59.436,62.484 58.767,61.815 USR-C1.10@57.048,61.815
WIFI_RD: R9.2 USR-C1.9 | length 28.2
  Top Layer w0.381: R9.2@47.752,77.851 48.583,77.851 49.401,77.033 51.237,77.033 53.34,74.93 53.34,67.437 54.483,66.294 59.055,66.294 59.507,65.842 59.507,62.273 USR-C1.9@57.048,59.815
WIFI_RL: C22.2 R7.1 SW3.2 USR-C1.3 | length 61.5
  Top Layer w0.381: SW3.2@40.386,62.738 43.307,62.738 45.466,64.897 58.28,64.897 58.674,64.503 58.674,63.367 58.131,62.824 55.712,62.824 54.737,61.849 54.737,50.126 USR-C1.3@57.048,47.815 ; R7.1@43.053,75.565 43.053,73.66 v1(43.942,72.771) ; v1(49.657,72.771) 50.165,73.279 ; C22.2@50.165,75.692 50.165,73.279 ; 52.816,64.897 50.165,67.548 50.165,73.279
  Bottom Layer w0.381: v1(43.942,72.771) v1(49.657,72.771)
WIFI_RST: U2.3 USR-C1.4 | length 50.9
  Top Layer w0.254: USR-C1.4@56.921,49.815 57.181,49.815 60.706,53.34 60.706,78.74 v1(61.722,79.756) ; v1(70.485,92.202) 71.294,93.011 U2.3@72.943,93.011
  Bottom Layer w0.254: v1(61.722,79.756) 61.722,83.439 v1(70.485,92.202)
WIFI_RX: U2.1 USR-C1.5 | length 50.7
  Top Layer w0.254: USR-C1.5@56.921,51.815 57.276,51.815 60.325,54.864 v1(60.325,79.629) ; v1(69.342,93.218) 70.135,94.011 U2.1@72.943,94.011
  Bottom Layer w0.254: v1(60.325,79.629) 60.325,84.201 v1(69.342,93.218)
WIFI_TX: U2.2 USR-C1.6 | length 48.1
  Top Layer w0.254: USR-C1.6@56.921,53.815 57.371,53.815 59.944,56.388 59.944,78.943 59.778,79.109 59.778,79.856 61.087,81.165 v1(61.087,81.28) ; v1(70.231,93.091) 70.651,93.511 U2.2@72.943,93.511
  Bottom Layer w0.254: v1(61.087,81.28) 61.087,83.947 v1(70.231,93.091)
pads on no net: *1.0 *1.1 *1.2 *1.3 *1.5 *1.7 *1.8 *1.9 *1.10 *1.23 *1.24 *2.0 *2.1 *2.2 *2.3 *2.5 *2.7 *2.8 *2.9 *2.10 *2.23 *2.24 BlueTeeth1.1 BlueTeeth1.6 BlueTeeth2.1 BlueTeeth2.6 ECM1.5 ECM1.6 ECM2.5 ECM2.6 JTAG_A1.7 JTAG_A1.9 JTAG_B1.7 JTAG_B1.9 S1.3 U1.3 U1.4 U1.7 U1.10 U1.11 U1.12 U1.13 U1.14 U1.15 U1.16 U1.17 U1.18 U1.19 U1.20 U1.21 U1.27 U1.28 U1.29 U1.33 U1.38 U1.43 U1.65 U1.67 U1.68 U1.70 U1.79 U1.92 U2.4 U2.5 U2.6 U2.7 U2.10 U2.11 U2.12 U2.13 U2.14 U2.15 U2.16 U2.17 U2.18 U2.19 U2.20 U2.21 U2.27 U2.28 U2.29 U2.31 U2.32 U2.33 U2.38 U2.39 U2.42 U2.43 U2.47 U2.62 U2.63 U2.64 U2.65 U2.70 U2.71 U2.72 U2.73 U2.92 U2.97 U2.98 U2.99 U2.100 USR-C1.7 USR-C1.8 X_A1.1 X_B1.1
copper on no net:
  other v2: 44,55 157.5,55 100.75,105

## Polygon pours and split planes (outlines as drawn)
DGND on Top Layer "Top Layer-No Net" (hatched 90Degree grid 0.508 track 0.203, remove dead copper, pour order 31): 32.934,39.91 ccw(c33.025,40) 33.025,39.873 85.471,39.873 ccw(c85.471,40) 85.598,40 85.598,65.913 115.873,65.913 115.873,40 ccw(c116,40) 116,39.873 171.069,39.873 ccw(c171.069,40) 171.196,40 ccw(c171.069,40) 171.127,40.113 171.127,93.264 ccw(c171,93.264) 171.07,93.37 171.071,93.37 171.07,93.37 145.967,110.106 ccw(c145.896,110) 145.896,110.127 56,110.127 ccw(c56,110) 55.929,110.106 32.89,94.746 ccw(c32.961,94.64) 32.873,94.548 32.873,40.025 ccw(c33,40.025) 32.91,39.934 32.91,39.935
AGND on Top Layer "Top Layer-No Net2" (hatched 90Degree grid 0.508 track 0.203, remove dead copper, pour order 33): 32.934,39.91 ccw(c33.025,40) 33.025,39.873 85.471,39.873 ccw(c85.471,40) 85.598,40 85.598,65.913 115.873,65.913 115.873,40 ccw(c116,40) 116,39.873 171.069,39.873 ccw(c171.069,40) 171.196,40 ccw(c171.069,40) 171.127,40.113 171.127,93.264 ccw(c171,93.264) 171.07,93.37 171.071,93.37 171.07,93.37 145.967,110.106 ccw(c145.896,110) 145.896,110.127 56,110.127 ccw(c56,110) 55.929,110.106 32.89,94.746 ccw(c32.961,94.64) 32.873,94.548 32.873,40.025 ccw(c33,40.025) 32.91,39.934 32.91,39.935
DGND on Bottom Layer "Top Layer-No Net1" (hatched 90Degree grid 0.508 track 0.203, remove dead copper, pour order 32): 32.934,39.91 ccw(c33.025,40) 33.025,39.873 85.471,39.873 ccw(c85.471,40) 85.598,40 85.598,65.913 115.873,65.913 115.873,40 ccw(c116,40) 116,39.873 171.069,39.873 ccw(c171.069,40) 171.196,40 ccw(c171.069,40) 171.127,40.113 171.127,93.264 ccw(c171,93.264) 171.07,93.37 171.071,93.37 171.07,93.37 145.967,110.106 ccw(c145.896,110) 145.896,110.127 56,110.127 ccw(c56,110) 55.929,110.106 32.89,94.746 ccw(c32.961,94.64) 32.873,94.548 32.873,40.025 ccw(c33,40.025) 32.91,39.934 32.91,39.935
AGND on Bottom Layer "Top Layer-No Net3" (hatched 90Degree grid 0.508 track 0.203, remove dead copper, pour order 34): 32.934,39.91 ccw(c33.025,40) 33.025,39.873 85.471,39.873 ccw(c85.471,40) 85.598,40 85.598,65.913 115.873,65.913 115.873,40 ccw(c116,40) 116,39.873 171.069,39.873 ccw(c171.069,40) 171.196,40 ccw(c171.069,40) 171.127,40.113 171.127,93.264 ccw(c171,93.264) 171.07,93.37 171.071,93.37 171.07,93.37 145.967,110.106 ccw(c145.896,110) 145.896,110.127 56,110.127 ccw(c56,110) 55.929,110.106 32.89,94.746 ccw(c32.961,94.64) 32.873,94.548 32.873,40.025 ccw(c33,40.025) 32.91,39.934 32.91,39.935

## Silkscreen, mask and mechanical layers (free items; w line width, h text height)
Top Overlay:
  rectangle: 132.588,108.458 134.747,109.22
  region: 134.112,84.328 134.112,86.487 133.35,86.487 133.35,84.328
  region: 53.975,72.263 53.975,74.422 53.213,74.422 53.213,72.263
  rectangle: 94.742,75.565 96.901,76.327
  lines w0.254: 32.961,94.64 56,110 145.896,110 171,93.264 171,40 ; 33,94.615 33,40.025 33.025,40 85.471,40 85.471,66.04 116,66.04 116,40 171.069,40 ; 68.326,96.774 62.484,96.774 62.484,90.932 68.453,90.932 68.453,96.774 ; 69.088,73.406 69.215,73.533 ; 132.207,63.5 132.588,63.5 132.588,63.754 132.588,67.183 132.588,69.088 125.603,69.088 125.603,63.5 131.191,63.5 132.334,63.5 ; 69.215,73.533 60.325,73.533 60.325,61.976 68.961,61.976 69.215,61.722 69.215,73.533 ; 39.116,73.787 51.943,73.787 51.943,79.248 51.816,79.375 39.116,79.375 39.116,73.787 ; 43.434,65.151 50.292,65.151 50.292,71.501 50.165,71.628 43.561,71.628 43.561,65.278 43.434,65.151 ; 70.612,70.485 70.739,70.358 88.773,70.358 88.9,70.485 88.9,75.692 88.773,75.819 70.612,75.819 70.612,70.485 ; 98.806,90.424 104.648,90.424 104.648,96.52 98.806,96.52 98.806,90.424 ; 109.855,70.358 121.666,70.358 121.666,76.327 121.539,76.454 109.855,76.454 109.855,70.358 ; 122.555,96.266 122.555,101.6 127.889,101.6 127.889,96.266 122.555,96.266 ; 133.731,52.705 133.731,58.166 143.129,58.166 143.129,57.912 143.129,52.705 133.731,52.705 ; 137.795,58.928 137.922,58.801 144.399,58.801 144.526,58.928 144.526,75.438 137.795,75.438 137.795,58.928 ; 157.48,59.817 162.687,59.817 162.687,65.659 157.48,65.659 157.48,59.817
  text "D6" at 105.029,109.601 h0.76 r270
  text "D4" at 107.569,109.601 h0.76 r270
  text "D2" at 110.109,109.601 h0.76 r270
  text "GND" at 142.24,109.22 h0.76 r180
  text "C6" at 83.82,108.585 h0.76
  text "C4" at 86.36,108.585 h0.76
  text "B3" at 89.027,108.585 h0.76
  text "B1" at 91.694,108.585 h0.76
  text "A19" at 93.853,108.585 h0.76
  text "5V" at 146.939,102.743 h0.76 r180
  text "D7" at 104.902,102.489 h0.76 r270
  text "D5" at 107.442,102.489 h0.76 r270
  text "D3" at 109.982,102.489 h0.76 r270
  text "C7" at 83.82,101.727 h0.76
  text "C5" at 86.36,101.727 h0.76
  text "B9" at 88.9,101.727 h0.76
  text "B2" at 91.44,101.727 h0.76
  text "B0" at 93.98,101.727 h0.76
  text "G" at 97.409,101.346 h0.76
  text "C1" at 99.822,101.346 h0.76
  text "C2" at 102.235,101.346 h0.76
  text "RXD" at 57.531,95.504 h1.52
  text "3.3V" at 51.054,93.853 h1 r270
  text "GND" at 44.069,93.599 h1 r270
  text "TXD" at 57.404,92.964 h1.52
  text "GND" at 57.404,90.424 h1.52
  text "GND" at 97.155,88.773 h0.76
  text "VCC" at 57.404,88.011 h1.52
  text "TXD" at 97.155,86.233 h0.76
  text "RXD" at 97.155,83.566 h0.76
  text "+" at 156.464,81.407 h0.76
  text "*" at 49.657,79.629 h1.52
  text "A16" at 61.595,77.216 h1 r270
  text "A15" at 64.389,77.216 h1 r270
  text "A14" at 67.31,77.216 h1 r270
  text "6V" at 104.648,70.612 h0.76
  text "G" at 107.442,70.612 h0.76
  text "*" at 75.692,68.707 h1.52
  text "*" at 144.907,65.405 h1.52
  text "G" at 118.618,63.246 h0.76
  text "5V" at 120.777,63.246 h0.76
  text "-" at 167.894,61.722 h2.03 r270
  text "12V" at 117.348,60.96 h0.76
  text "M22" at 119.888,60.96 h0.76
  text "M21" at 122.555,60.96 h0.76
  text "M12" at 124.968,60.96 h0.76
  text "M11" at 127.762,60.96 h0.76
  text "G" at 130.81,60.96 h0.76
  text "+" at 167.767,55.753 h2.03 r270
  text "+" at 152.4,52.324 h2.03 r270
  text "2017.05.02" at 65.151,47.117 h1.52
  text "-" at 154.305,45.212 h2.03 r90
  text "SCUT" at 68.961,43.942 h1.52
Bottom Overlay:
  lines w0.254: 76.708,101.346 76.708,101.981 82.169,101.981 82.169,96.774 76.708,96.774 76.708,101.6 ; 108.839,93.98 108.839,86.868 114.681,86.868 114.681,94.107 108.966,94.107 ; 142.748,74.676 142.748,85.725 147.955,85.725 147.955,74.549 142.875,74.549 ; 71.882,79.121 81.153,79.121 81.153,84.074 71.882,84.074 71.882,79.121 ; 74.168,86.233 79.629,86.233 79.629,94.361 74.295,94.361 74.168,94.234 74.168,86.233 ; 81.788,79.502 87.249,79.502 87.249,84.709 81.788,84.709 81.788,79.502 ; 81.915,89.154 87.249,89.154 87.249,94.488 81.915,94.488 81.915,89.154 ; 106.553,78.613 121.539,78.613 121.539,83.947 106.553,83.947 106.553,78.613 ; 116.713,88.392 116.84,88.519 121.666,88.519 121.666,93.98 116.713,93.98 116.713,88.392 ; 125.095,48.768 130.683,48.768 130.683,54.229 125.095,54.229 125.095,48.768 ; 132.08,43.307 146.05,43.307 146.05,51.181 132.461,51.181 132.08,51.181 132.08,43.307 ; 134.493,93.218 134.493,98.425 143.764,98.425 143.764,93.218 134.493,93.218
  text "*" at 136.525,91.694 h1.52
  text "*" at 108.458,87.503 h1.52
  text "*" at 73.787,86.614 h1.52

## Text inside footprints (layer, text, board x,y; h text height)
1: Top Overlay "2" at 48.641,95.123 h1.02 r270; Top Overlay "5" at 46.101,85.979 h1.02 r270; Top Overlay "6" at 48.641,85.979 h1.02 r270
2: Top Overlay "1" at 148.59,107.442 h1.02 r180; Top Overlay "5" at 139.7,107.442 h1.02 r180; Top Overlay "6" at 139.7,104.902 h1.02 r180
CORE2: Top Overlay "1" at 112.649,107.188 h1.02 r180; Top Overlay "2" at 112.903,104.648 h1.02 r180; Top Overlay "5" at 103.759,107.188 h1.02 r180; Top Overlay "6" at 103.759,104.648 h1.02 r180
CORE3: Top Overlay "10" at 82.931,104.775 h1.02 r180; Top Overlay "9" at 82.931,107.315 h1.02 r180; Top Overlay "1" at 96.647,107.315 h1.02 r180; Top Overlay "2" at 96.901,104.775 h1.02 r180
ECM1: Top Overlay "1" at 90.932,71.374 h1.02; Top Overlay "2" at 90.678,73.914 h1.02; Top Overlay "5" at 99.822,71.374 h1.02; Top Overlay "6" at 99.822,73.914 h1.02
ECM2: Top Overlay "1" at 128.905,104.14 h1.02; Top Overlay "2" at 128.651,106.68 h1.02; Top Overlay "5" at 137.795,104.14 h1.02; Top Overlay "6" at 137.795,106.68 h1.02
JTAG_A1: Top Overlay "10" at 130.048,91.948 h1.02 r90; Top Overlay "9" at 132.588,91.948 h1.02 r90; Top Overlay "1" at 132.588,78.232 h1.02 r90; Top Overlay "2" at 130.048,77.978 h1.02 r90
JTAG_B1: Top Overlay "10" at 57.277,66.802 h1.02 r270; Top Overlay "9" at 54.737,66.802 h1.02 r270; Top Overlay "1" at 54.737,80.518 h1.02 r270; Top Overlay "2" at 57.277,80.772 h1.02 r270
USR-C1: Top Overlay "ATT" at 48.006,61.595 h1.02